# Altium PCB ISS_LAB_PCB.PcbDoc (part 7 of 8) (continued)
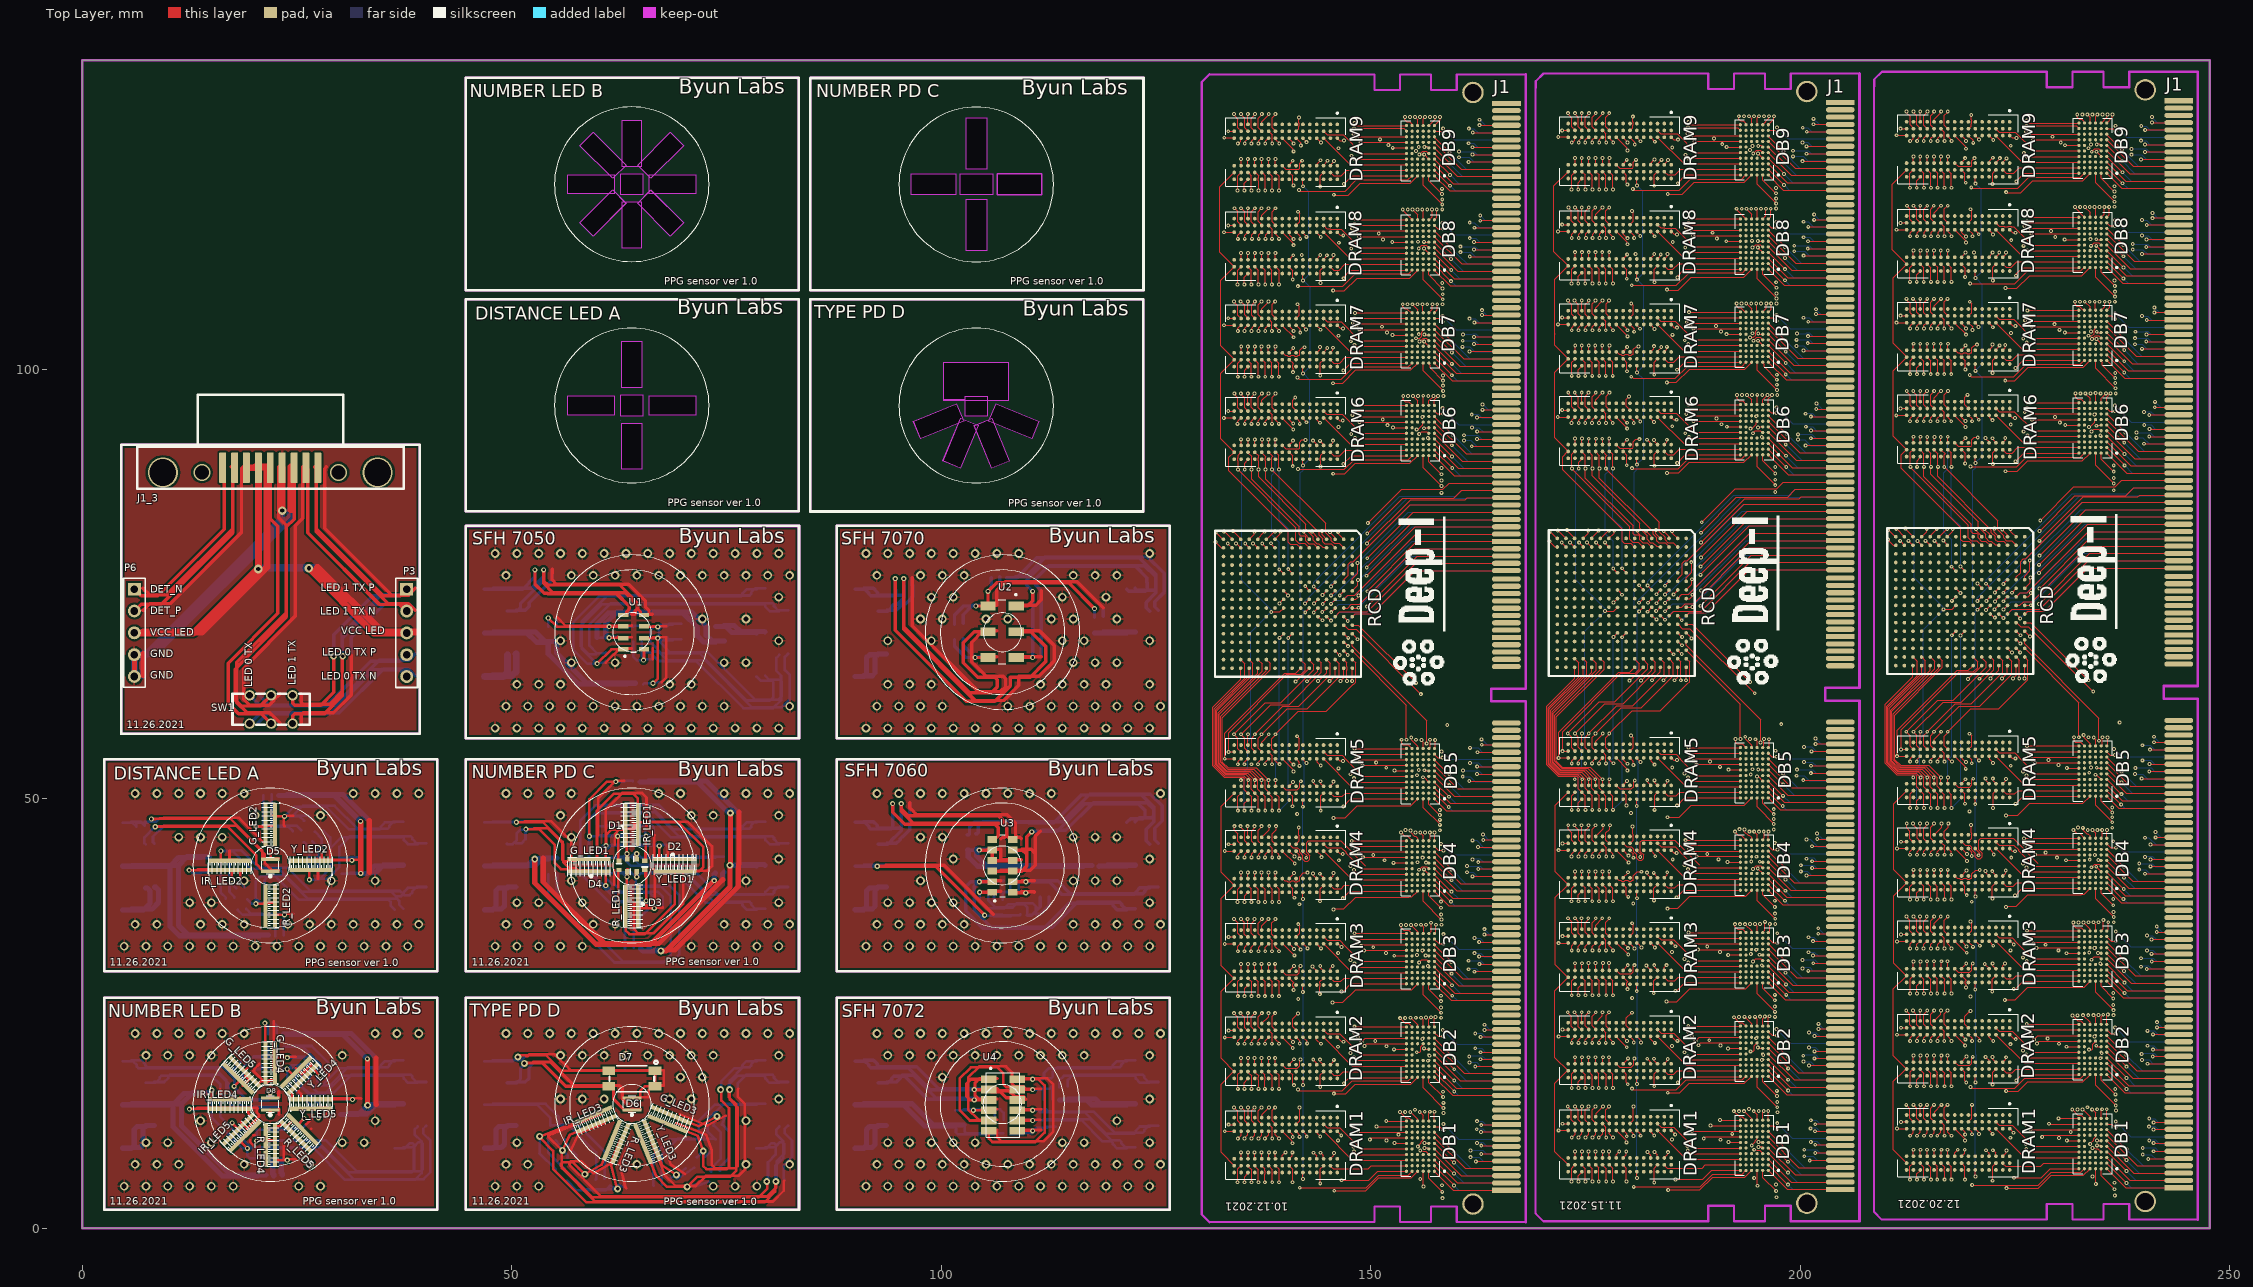
[diagram p0: Top Layer view]
## Nets (pads, with @x,y where several pads share a name; then routed paths per layer and width w, separated by ;. In a path a pad name is that pad's centre, name@x,y a point inside that pad or via, vN(x,y) a via of type N, cw(c..) or ccw(c..) an arc to the next point about the centre after c; other vN are vias at no path point) (continued)
239.498,6.402 244.07,6.402 ; v1(237.974,9.196) 239.918,7.252 244.07,7.252 ; v1(237.974,20.143) 239.815,18.302 244.07,18.302 ; v1(237.999,16.206) 238.454,15.752 244.07,15.752 ; v1(237.999,17.476) 238.05,17.476 238.925,16.602 244.07,16.602 ; v1(237.999,18.797) 238.05,18.797 239.396,17.451 244.069,17.451 244.07,17.452 ; v1(238.558,124.969) 239.752,124.969 240.278,124.443 244.07,124.443 ; v1(238.558,125.63) 240.311,125.63 240.692,125.249 244.025,125.249 244.07,125.293 ; v1(238.711,113.92) 239.904,113.92 240.432,113.393 244.07,113.393 ; v1(238.711,114.555) 240.463,114.555 240.819,114.2 244.027,114.2 244.07,114.243 ; v1(238.965,102.897) 239.828,102.897 240.387,102.338 244.065,102.338 244.07,102.343 ; v1(238.99,52.859) 239.854,52.859 240.438,52.274 244.042,52.274 244.07,52.302 ; v1(238.99,103.608) 239.005,103.623 240.45,103.623 240.871,103.201 244.062,103.201 244.07,103.193 ; v1(239.015,53.57) 240.844,53.57 241.276,53.138 244.056,53.138 244.07,53.152 ; v1(239.015,104.344) 240.055,104.344 240.147,104.436 240.475,104.436 240.707,104.204 240.707,104.177 240.841,104.043 244.07,104.043 ; v1(239.142,92) 239.906,92 240.613,91.293 244.07,91.293 ; v1(239.142,92.61) 240.744,92.61 241.227,92.127 244.054,92.127 244.07,92.143 ; v1(239.473,41.733) 240.211,41.733 240.694,41.251 244.069,41.251 244.07,41.252 ; v1@239.498,42.445 240.997,42.445 241.352,42.089 244.057,42.089 244.07,42.102 ; v1(239.676,30.43) 239.793,30.547 240.5,30.547 240.871,30.176 244.044,30.176 244.07,30.202 ; v1(239.676,31.421) 239.691,31.436 241.085,31.436 241.481,31.04 244.058,31.04 244.07,31.052 ; v1(239.676,126.595) 240.26,126.595 240.717,126.138 244.064,126.138 244.07,126.143 ; v1(239.701,128.297) 240.285,128.297 240.768,127.814 244.041,127.814 244.07,127.843 ; v1(239.752,20.27) 239.844,20.362 241.212,20.362 241.583,19.991 244.059,19.991 244.07,20.002 ; v1(239.777,19.585) 240.616,19.585 241.048,19.152 244.07,19.152 ; v1(239.777,106.173) 240.44,106.173 240.897,105.716 244.043,105.716 244.07,105.743 ; v1(239.803,115.546) 240.514,115.546 240.971,115.089 244.066,115.089 244.07,115.093 ; v1(239.803,117.349) 240.336,117.349 240.892,116.793 244.07,116.793 ; v1(239.828,54.459) 240.795,54.459 241.252,54.002 244.07,54.002 ; v1(239.828,56.211) 240.77,56.211 241.279,55.702 244.07,55.702 ; v1(239.879,8.561) 240.895,8.561 241.378,8.078 244.046,8.078 244.07,8.102 ; v1(239.879,9.323) 239.894,9.338 241.313,9.338 241.71,8.942 244.06,8.942 244.07,8.952 ; v1(240.031,94.997) 240.098,95.063 240.805,95.063 241.202,94.667 244.044,94.667 244.07,94.693 ; v1(240.057,93.499) 240.844,93.499 241.352,92.991 244.068,92.991 244.07,92.993 ; v1(240.133,43.207) 240.225,43.298 240.981,43.298 241.352,42.927 244.045,42.927 244.07,42.952 ; v1(240.133,45.442) 240.59,45.442 241.428,44.604 244.022,44.604 244.07,44.652 ; v1(240.362,32.31) 240.377,32.325 241.059,32.325 241.483,31.902 244.07,31.902 ; v1(240.362,34.063) 240.998,34.063 241.459,33.602 244.07,33.602 ; v1(240.438,21.236) 241.176,21.236 241.633,20.778 243.996,20.778 244.07,20.852 ; v1(240.438,22.963) 241.227,22.963 241.659,22.531 244.049,22.531 244.07,22.552 ; v1(240.616,11.812) 240.682,11.878 241.288,11.878 241.664,11.502 244.07,11.502 ; v1(240.641,10.212) 240.724,10.295 241.32,10.295 241.784,9.831 244.041,9.831 244.07,9.802 ; v1(240.641,12.752) 241.278,12.752 241.678,12.352 244.07,12.352 ; v1(240.946,129.338) 241.591,128.693 244.07,128.693 ; v1(241.022,118.187) 241.566,117.643 244.07,117.643 ; v1(241.174,57.202) 241.824,56.552 244.07,56.552 ; v1(241.225,107.164) 241.796,106.593 244.07,106.593 ; v1(241.301,96.191) 241.949,95.543 244.07,95.543 ; v1(241.352,46.128) 241.978,45.502 244.07,45.502 ; v1(241.505,35.104) 242.157,34.452 244.07,34.452 ; v1(241.53,23.979) 242.107,23.402 244.07,23.402
  Bottom Layer w0.3: 4.725,19.45 5.87,19.45 6.355,18.965 6.355,18.806 6.531,18.63 15.418,18.63 16.775,17.273 16.775,16.205 18.075,14.905 21.719,14.905 21.895,15.081 v4(21.895,15.755) ; 4.725,47.21 5.809,47.21 6.294,46.725 6.294,47.21 7.635,47.21 v3(8.05,47.625) ; 5.725,19.55 6.87,19.55 7.355,19.065 7.355,18.906 7.531,18.73 16.418,18.73 17.775,17.373 17.775,16.305 19.075,15.005 22.719,15.005 22.895,15.181 22.895,15.855 ; 5.725,47.31 6.809,47.31 7.294,46.825 7.294,47.31 8.635,47.31 9.05,47.725 ; 7.395,16.91 8.54,16.91 9.025,17.395 9.025,17.554 9.201,17.73 15.045,17.73 16.075,16.7 16.075,15.632 17.702,14.005 21.719,14.005 21.895,13.829 v4(21.895,13.155) ; 7.395,44.67 7.235,44.83 7.235,45.47 v3(8.495,46.73) ; 8.395,17.01 9.54,17.01 10.025,17.495 10.025,17.654 10.201,17.83 16.045,17.83 17.075,16.8 17.075,15.732 18.702,14.105 22.719,14.105 22.895,13.929 22.895,13.255 ; 8.395,44.77 8.235,44.93 8.235,45.57 9.495,46.83 ; v3(12.445,41.68) 12.526,41.68 12.89,41.316 13.795,41.316 ; v3(12.477,13.848) 13.55,13.848 ; 13.445,41.78 13.526,41.78 13.89,41.416 14.795,41.416 ; 13.477,13.948 14.55,13.948 ; v3(15.075,16.05) 15.075,12.85 18.65,9.275 v3(19.225,9.275) 19.225,8.425 19.525,8.125 20.211,8.125 20.361,7.975 20.361,7.825 20.355,7.83 ; 16.075,16.15 16.075,12.95 19.65,9.375 20.225,9.375 20.225,8.525 20.525,8.225 21.211,8.225 21.361,8.075 21.361,7.925 21.355,7.93 ; 16.716,38.359 16.716,38.459 16.145,39.03 v3(16.145,43.905) 17.47,43.905 19.52,41.855 22.868,41.855 25.573,39.149 35.998,39.149 36.493,38.655 37.124,38.655 37.435,38.966 37.435,39.125 37.92,39.61 39.065,39.61 ; v3@17.42,40.58 17.42,40.08 17.941,39.559 ; v3(17.45,12.25) 18.25,11.45 18.561,11.45 ; v3(17.675,16.5) 17.675,18.6 18.952,19.877 21.625,19.877 ; 17.716,38.459 17.716,38.559 17.145,39.13 17.145,44.005 18.47,44.005 20.52,41.955 23.868,41.955 26.573,39.249 36.998,39.249 37.493,38.755 38.124,38.755 38.435,39.066 38.435,39.225 38.92,39.71 40.065,39.71 ; 18.099,37.051 18.67,36.48 22.47,36.48 ; v2@18.42,40.68 18.42,40.18 18.941,39.659 ; 18.45,12.35 19.25,11.55 19.561,11.55 ; 18.675,16.6 18.675,18.7 19.952,19.977 22.625,19.977 ; 19.099,37.151 19.67,36.58 v3@23.47,36.58 ; 19.225,38.275 19.747,37.753 19.748,37.755 v3(20.22,37.755) 20.22,40.405 20.77,40.955 22.495,40.955 25.201,38.249 35.626,38.249 35.896,37.979 35.896,37.555 36.381,37.07 36.395,37.07 ; 19.598,9.275 19.626,9.303 26.899,9.303 30.591,5.611 38.733,5.611 39.525,6.403 39.525,10.097 38.701,10.921 38.701,11.466 39.065,11.83 ; v3(19.625,19.025) 20.125,18.525 20.873,18.525 ; 20.225,38.375 20.747,37.853 20.748,37.855 21.22,37.855 21.22,40.505 21.77,41.055 23.495,41.055 26.201,38.349 36.626,38.349 36.896,38.079 36.896,37.655 37.381,37.17 37.395,37.17 ; v3(20.245,46.755) 21.07,46.755 ; 20.598,9.375 20.626,9.403 27.899,9.403 31.591,5.711 39.733,5.711 40.525,6.503 40.525,10.197 39.701,11.021 39.701,11.566 40.065,11.93 ; 20.625,19.125 21.125,18.625 21.873,18.625 ; 21.056,50.38 21.056,46.769 21.07,46.755 ; 21.245,46.855 22.07,46.855 ; v3(21.273,23.873) 21.273,23.838 21.636,23.475 21.636,22.575 ; 21.623,21.1 21.623,19.879 21.625,19.877 ; 22.056,50.48 22.056,46.869 22.07,46.855 ; 22.177,7.825 22.277,7.925 v3(23.875,7.925) ; 22.273,23.973 22.273,23.938 22.636,23.575 22.636,22.675 ; 22.465,34.01 22.484,34.03 22.484,36.466 22.47,36.48 ; 22.623,21.2 22.623,19.979 22.625,19.977 ; 22.689,18.525 v3(23.85,18.525) ; 23.177,7.925 23.277,8.025 24.875,8.025 ; 23.439,21.1 25.7,21.1 27.7,19.1 v3(27.7,17.725) ; 23.465,34.11 23.484,34.13 23.484,36.566 v3@23.47,36.58 ; 23.477,19.85 23.519,19.85 ; v3(23.545,36.48) 22.47,36.48 ; v3@23.689,18.625 24.85,18.625 ; 24.439,21.2 26.7,21.2 28.7,19.2 28.7,17.825 ; 24.477,19.95 24.519,19.95 ; 24.515,46.21 23.97,46.755 21.07,46.755 ; 24.545,36.58 v3@23.47,36.58 ; 25.515,46.31 24.97,46.855 22.07,46.855 ; 25.799,44.926 26.445,44.28 v3(26.445,40.555) 27.545,40.555 28.945,41.955 28.945,44.28 30.175,45.51 37.259,45.51 37.435,45.334 37.435,45.175 37.92,44.69 39.065,44.69 ; 25.815,47.435 25.32,47.93 v3(23.545,47.93) 24.67,49.055 28.395,49.055 31.04,46.41 34.589,46.41 34.765,46.586 34.765,46.745 35.25,47.23 36.395,47.23 ; v3(25.825,12.76) 24.515,11.45 20.377,11.45 20.3,11.373 v3(20.3,10.15) 27.325,10.15 30.964,6.511 38.361,6.511 38.625,6.776 38.625,9.724 38.449,9.9 38.15,9.9 37.54,9.29 36.395,9.29 ; 26.799,45.026 27.445,44.38 27.445,40.655 28.545,40.655 29.945,42.055 29.945,44.38 31.175,45.61 38.259,45.61 38.435,45.434 38.435,45.275 38.92,44.79 40.065,44.79 ; 26.815,47.535 26.32,48.03 24.545,48.03 25.67,49.155 29.395,49.155 32.04,46.51 35.589,46.51 35.765,46.686 35.765,46.845 36.25,47.33 37.395,47.33 ; 26.825,12.86 25.515,11.55 21.377,11.55 21.3,11.473 21.3,10.25 28.325,10.25 31.964,6.611 39.361,6.611 39.625,6.876 39.625,9.824 39.449,10 39.15,10 38.54,9.39 37.395,9.39 ; 27.099,46.151 27.87,45.38 27.87,43.93 v3(27.895,43.905) ; v3(27.5,12.825) 27.5,13.4 27.425,13.475 23.85,17.05 v3(23.85,18.525) ; 28.099,46.251 28.87,45.48 28.87,44.03 28.895,44.005 ; 28.5,12.925 28.5,13.5 28.425,13.575 24.85,17.15 24.85,18.625 ; 30.075,15.027 30.101,15.001 31.439,15.001 v3(31.465,14.975) ; 30.22,41.278 v3@32.3,41.278 ; 30.22,43.094 31.106,43.094 v3(31.395,42.805) ; 31.075,15.127 31.101,15.101 32.439,15.101 32.465,15.075 ; 31.22,41.378 33.3,41.378 ; 31.22,43.194 32.106,43.194 32.395,42.905 ; 36.395,19.45 35.25,19.45 34.765,18.965 34.765,18.806 34.589,18.63 29.955,18.63 27.875,16.55 26.825,16.55 26.375,17 26.375,19.147 25.672,19.85 23.519,19.85 ; 37.395,19.55 36.25,19.55 35.765,19.065 35.765,18.906 35.589,18.73 30.955,18.73 28.875,16.65 27.825,16.65 27.375,17.1 27.375,19.247 26.672,19.95 24.519,19.95 ; 39.065,16.91 37.92,16.91 37.435,17.395 37.435,17.554 37.259,17.73 30.328,17.73 28.248,15.65 26.452,15.65 25.475,16.627 25.475,18.774 25.299,18.95 24.356,18.95 23.931,18.525 v3(23.85,18.525) ; 40.065,17.01 38.92,17.01 38.435,17.495 38.435,17.654 38.259,17.83 31.328,17.83 29.248,15.75 27.452,15.75 26.475,16.727 26.475,18.874 26.299,19.05 25.356,19.05 24.931,18.625 24.85,18.625 ; 46.825,14.37 52.95,14.37 54.489,12.831 54.489,11.932 54.49,11.931 54.548,11.989 56.631,11.989 59.821,8.799 59.821,5.712 59.764,5.655 ; 46.825,19.45 50.119,19.45 50.589,19.92 v5(50.725,19.92) ; 46.825,47.23 50.114,47.23 50.134,47.25 v3(50.55,47.25) ; 47.825,14.47 53.95,14.47 55.489,12.931 55.489,12.032 55.49,12.031 55.548,12.089 57.631,12.089 60.821,8.899 60.821,5.812 60.764,5.755 ; 47.825,19.55 51.119,19.55 51.589,20.02 51.725,20.02 ; 47.825,47.33 51.114,47.33 51.134,47.35 51.55,47.35 ; 49.454,44.731 49.495,44.69 50.115,44.69 50.6,45.175 50.6,45.975 51.018,46.393 51.593,46.393 v3(51.65,46.45) ; 50.454,44.831 50.495,44.79 51.115,44.79 51.6,45.275 51.6,46.075 52.018,46.493 52.593,46.493 52.65,46.55 ; v5(53.245,10.675) 53.245,8.725 53.233,8.713 55.141,6.804 ; 54.245,10.775 54.245,8.825 54.233,8.813 56.141,6.904 ; 54.245,70.014 v3(54.245,71.025) ; 54.275,41.186 54.275,38.6 61.95,30.925 67.65,30.925 68.525,31.8 68.525,38.625 67.4,39.75 63.775,39.75 63.425,40.1 v4(63.425,40.887) ; 55.14,10.224 v5(55.913,9.054) 56.534,8.433 56.534,8.221 56.491,8.179 ; 55.245,70.114 55.245,71.125 ; 55.275,41.286 55.275,38.7 62.95,31.025 68.65,31.025 69.525,31.9 69.525,38.725 68.4,39.85 64.775,39.85 64.425,40.2 v4@64.425,40.987 ; 56.14,10.324 56.913,9.154 57.534,8.533 57.534,8.321 57.491,8.279 ; 56.425,5.52 57.545,4.4 60.914,4.4 61.441,4.927 61.441,4.96 v5(62.332,4.563) ; 57.425,5.62 58.545,4.5 61.914,4.5 62.441,5.027 62.441,5.06 63.332,4.663 ; 57.775,6.895 57.886,6.895 58.349,6.431 58.349,6.371 58.324,6.346 ccw(c58.513,6.535) v5(58.513,6.268) ; 58.775,6.995 58.886,6.995 59.349,6.531 59.349,6.471 59.324,6.446 ; v3(59.05,45.625) v3(62.325,45.625) 63.148,45.625 63.198,45.675 ; v4@59.945,65.925 59.745,65.725 58.772,65.725 57.145,67.352 57.145,70.525 60.17,73.55 76.689,73.55 76.865,73.726 76.865,73.885 77.35,74.37 78.495,74.37 ; 59.945,66.936 59.834,66.825 58.945,66.825 58.045,67.725 58.045,70.152 60.543,72.65 79.359,72.65 79.535,72.474 79.535,72.315 80.02,71.83 81.165,71.83 ; 59.945,68.752 59.959,68.738 61.332,68.738 v4(61.345,68.725) ; 60.05,45.725 63.325,45.725 64.148,45.725 64.198,45.775 ; v3@60.675,44.525 60.6,44.525 59.875,43.8 59.875,40.725 60.725,39.875 v3(60.95,39.875) 61.775,39.05 66.025,39.05 66.6,38.475 v3(66.6,37.225) ; 60.945,66.025 60.745,65.825 59.772,65.825 58.145,67.452 58.145,70.625 61.17,73.65 77.689,73.65 77.865,73.826 77.865,73.985 78.35,74.47 79.495,74.47 ; 60.945,67.036 60.834,66.925 59.945,66.925 59.045,67.825 59.045,70.252 61.543,72.75 80.359,72.75 80.535,72.574 80.535,72.415 81.02,71.93 82.165,71.93 ; 60.945,68.852 60.959,68.838 62.332,68.838 62.345,68.825 ; v3(60.975,44.525) 61,44.5 v3(67.175,44.5) ; 61,41.323 62.908,41.323 v4@63.344,40.887 ; 61,43.139 62.908,43.139 ; v4(61.345,70.025) 61.358,70.038 64.132,70.038 64.145,70.052 ; 61.675,44.625 61.6,44.625 60.875,43.9 60.875,40.825 61.725,39.975 61.95,39.975 62.775,39.15 67.025,39.15 67.6,38.575 67.6,37.325 ; 61.975,44.625 62,44.6 68.175,44.6 ; 62,41.423 63.908,41.423 v4@64.344,40.987 ; 62,43.239 63.908,43.239 ; v3(62.125,51.975) 63.086,51.975 63.111,51.95 ; 62.345,70.125 62.358,70.138 65.132,70.138 65.145,70.152 ; 62.998,37.95 62.973,37.925 v3(62.325,37.925) 61.375,37.925 58,41.3 58,47.473 59.727,49.2 66.073,49.2 68.863,46.41 76.689,46.41 76.865,46.586 76.865,46.745 77.35,47.23 78.495,47.23 ; 63.125,52.075 64.086,52.075 64.111,52.05 ; 63.184,32.55 63.184,35.334 64.864,37.014 64.864,37.975 ; v4@63.344,43.575 62.908,43.139 ; 63.998,38.05 63.973,38.025 63.325,38.025 62.375,38.025 59,41.4 59,47.573 60.727,49.3 67.073,49.3 69.863,46.51 77.689,46.51 77.865,46.686 77.865,46.845 78.35,47.33 79.495,47.33 ; 64.145,68.236 64.145,66.525 64.545,66.125 v4(65.345,66.125) 65.345,66.825 65.545,67.025 66.072,67.025 67.072,66.025 71.472,66.025 76.972,60.525 80.421,60.525 81.348,61.452 81.348,64.323 80.801,64.87 80.801,66.386 81.165,66.75 ; 64.184,32.65 64.184,35.434 65.864,37.114 v3@65.864,38.075 ; v4@64.344,43.675 63.908,43.239 ; v4(64.55,40.887) 64.631,40.887 65.067,41.323 66.975,41.323 69.127,41.323 72.56,37.89 76.689,37.89 76.865,37.714 76.865,37.555 77.35,37.07 78.495,37.07 ; v4@64.631,43.575 65.067,43.139 66.975,43.139 73.7,43.139 ; 64.814,37.95 64.839,37.975 64.864,37.975 ; 64.889,45.675 64.939,45.625 65.55,45.625 65.55,46.55 65.325,46.775 60.125,46.775 59.875,47.025 59.875,48.075 60.1,48.3 65.7,48.3 68.49,45.51 79.359,45.51 79.535,45.334 79.535,45.175 80.02,44.69 81.165,44.69 ; 65.145,68.336 65.145,66.625 65.545,66.225 66.345,66.225 66.345,66.925 66.545,67.125 67.072,67.125 68.072,66.125 72.472,66.125 77.972,60.625 81.421,60.625 82.348,61.552 82.348,64.423 81.801,64.97 81.801,66.486 82.165,66.85 ; 65.334,63.325 65.434,63.425 v4(66.445,63.425) ; 65.55,40.987 65.631,40.987 66.067,41.423 67.975,41.423 70.127,41.423 73.56,37.99 77.689,37.99 77.865,37.814 77.865,37.655 78.35,37.17 79.495,37.17 ; 65.631,43.675 66.067,43.239 67.975,43.239 74.7,43.239 ; v3(65.65,38.1) 64.989,38.1 64.864,37.975 ; v3@65.814,38.05 65.839,38.075 v3@65.864,38.075 ; v3@65.889,45.775 65.939,45.725 66.55,45.725 66.55,46.65 66.325,46.875 61.125,46.875 60.875,47.125 60.875,48.175 61.1,48.4 66.7,48.4 69.49,45.61 80.359,45.61 80.535,45.434 80.535,45.275 81.02,44.79 82.165,44.79 ; v4@66.334,63.425 66.434,63.525 67.445,63.525 ; 66.539,4.945 66.481,5.003 66.481,8.461 68.346,10.326 72.627,10.326 ; 66.65,38.2 65.989,38.2 v3@65.864,38.075 ; v4(67.005,68.685) 67.086,68.685 67.335,68.436 68.745,68.436 ; 67.539,5.045 67.481,5.103 67.481,8.561 69.346,10.426 73.627,10.426 ; 68.005,68.785 68.086,68.785 68.335,68.536 69.745,68.536 ; 68.216,5.64 v5(69.17,6.2) 70.241,6.946 ; 68.745,70.252 67.353,70.252 67.086,69.985 v4(67.005,69.985) 66.505,69.985 66.145,69.625 66.145,68.225 67.445,66.925 71.845,66.925 77.345,61.425 80.048,61.425 80.448,61.825 80.448,63.549 80.272,63.725 78.98,63.725 78.495,64.21 ; 69.216,5.74 70.17,6.3 71.241,7.046 ; 69.745,70.352 68.353,70.352 68.086,70.085 68.005,70.085 67.505,70.085 67.145,69.725 67.145,68.325 68.445,67.025 72.845,67.025 78.345,61.525 81.048,61.525 81.448,61.925 81.448,63.649 81.272,63.825 79.98,63.825 79.495,64.31 ; v5(70.42,4.8) 71.966,5.296 ; 71.42,4.9 72.966,5.396 ; 71.525,8.23 71.55,8.23 v5(72.295,8.975) ; 72.525,8.33 72.55,8.33 73.295,9.075 ; 72.765,10.269 72.684,10.269 72.627,10.326 ; 73.25,6.58 73.144,6.686 73.144,6.898 74.32,8.074 74.32,11.168 73.541,11.946 73.46,11.946 v5(73.895,13) ; 73.765,10.369 73.684,10.369 73.627,10.426 ; 74.25,6.68 74.144,6.786 74.144,6.998 75.32,8.174 75.32,11.268 74.541,12.046 74.46,12.046 74.895,13.1 ; v5(74.318,16.125) 74.395,16.202 74.395,17.1 75.925,18.63 76.689,18.63 76.865,18.806 76.865,18.965 77.35,19.45 78.495,19.45 ; v5@75.318,16.225 75.395,16.302 75.395,17.2 76.925,18.73 77.689,18.73 77.865,18.906 77.865,19.065 78.35,19.55 79.495,19.55 ; v5(75.372,16.125) 75.295,16.202 75.295,16.727 76.298,17.73 79.359,17.73 79.535,17.554 79.535,17.395 80.02,16.91 81.165,16.91 ; 76.372,16.225 76.295,16.302 76.295,16.827 77.298,17.83 80.359,17.83 80.535,17.654 80.535,17.495 81.02,17.01 82.165,17.01 ; 78.495,9.29 79.64,9.29 80.25,9.9 80.549,9.9 80.725,9.724 80.725,8.556 79.831,7.663 79.831,5.563 v5(79.693,5.425) ; 78.495,14.37 73.64,14.37 71.79,12.52 71.79,11.163 72.627,10.326 ; 79.495,9.39 80.64,9.39 81.25,10 81.549,10 81.725,9.824 81.725,8.656 80.831,7.763 80.831,5.663 v5@80.693,5.525 ; 79.495,14.47 74.64,14.47 72.79,12.62 72.79,11.263 73.627,10.426 ; v5(80.747,5.425) 80.747,5.548 80.67,5.625 80.67,7.229 81.625,8.184 81.625,10.097 80.801,10.921 80.801,11.466 81.165,11.83 ; 81.165,39.61 80.02,39.61 79.535,39.125 79.535,38.966 79.359,38.79 72.933,38.79 69.5,42.223 66.602,42.223 66.579,42.2 63.847,42.2 62.908,43.139 ; 81.747,5.525 81.747,5.648 81.67,5.725 81.67,7.329 82.625,8.284 82.625,10.197 81.801,11.021 81.801,11.566 82.165,11.93 ; 82.165,39.71 81.02,39.71 80.535,39.225 80.535,39.066 80.359,38.89 73.933,38.89 70.5,42.323 67.602,42.323 67.579,42.3 64.847,42.3 63.908,43.239 ; 101.645,11.898 101.719,11.824 101.719,11.151 101.945,10.925 106.218,10.925 ; 101.645,13.714 101.656,13.725 v4(103.745,13.725) 105.845,13.725 106.256,13.314 106.256,12.525 ; 102.645,11.998 102.719,11.924 102.719,11.251 102.945,11.025 107.218,11.025 ; 102.645,13.814 102.656,13.825 104.745,13.825 106.845,13.825 107.256,13.414 107.256,12.625 ; v4(104.465,39.105) 104.465,38.105 105.345,37.225 107.328,37.225 107.828,37.725 109.645,37.725 110.034,37.336 110.034,36.425 ; v4(105.045,36.425) 105.102,36.368 106.075,36.368 106.145,36.298 108.091,36.298 108.218,36.425 ; 105.465,39.205 105.465,38.205 106.345,37.325 108.328,37.325 108.828,37.825 110.645,37.825 111.034,37.436 111.034,36.525 ; 106.045,36.525 106.102,36.468 107.075,36.468 107.145,36.398 109.091,36.398 109.218,36.525 ; 106.145,38.114 106.145,38.825 106.402,39.082 108.034,39.082 ; 107.145,38.214 107.145,38.925 107.402,39.182 109.034,39.182 ; 108.034,10.925 109.545,10.925 109.895,11.275 110.676,11.275 111.099,11.698 112.045,11.698 112.345,11.698 ; 108.034,40.325 108.034,39.082 ; 108.072,12.525 v4@110.545,12.525 ; 109.034,11.025 110.545,11.025 110.895,11.375 111.676,11.375 112.099,11.798 113.045,11.798 113.345,11.798 ; 109.034,40.425 109.034,39.182 ; 109.072,12.625 111.545,12.625 ; v4(109.845,39.025) 109.788,39.082 108.034,39.082 ; v4(110.645,13.725) 111.245,13.725 111.456,13.514 112.045,13.514 112.09,13.469 116.715,13.469 119.175,11.01 122.474,11.01 122.65,11.186 122.65,11.345 123.135,11.83 124.28,11.83 ; v4(110.645,17.325) 111.794,17.325 111.97,17.501 111.97,18.061 112.539,18.63 119.804,18.63 119.98,18.806 119.98,18.965 120.465,19.45 121.61,19.45 ; v4@110.745,16.125 111.618,16.125 111.918,16.425 111.937,16.406 111.937,14.944 111.956,14.925 ; 110.845,39.125 110.788,39.182 109.034,39.182 ; v4@110.918,12.525 110.962,12.569 116.342,12.569 118.802,10.11 119.804,10.11 119.98,9.934 119.98,9.775 120.465,9.29 121.61,9.29 ; 111.645,13.825 112.245,13.825 112.456,13.614 113.045,13.614 113.09,13.569 117.715,13.569 120.175,11.11 123.474,11.11 123.65,11.286 123.65,11.445 124.135,11.93 125.28,11.93 ; 111.645,17.425 112.794,17.425 112.97,17.601 112.97,18.161 113.539,18.73 120.804,18.73 120.98,18.906 120.98,19.065 121.465,19.55 122.61,19.55 ; 111.745,16.225 112.618,16.225 112.918,16.525 112.937,16.506 112.937,15.044 112.956,15.025 ; 111.918,12.625 111.962,12.669 117.342,12.669 119.802,10.21 120.804,10.21 120.98,10.034 120.98,9.875 121.465,9.39 122.61,9.39 ; 113.734,16.425 113.734,17.169 114.295,17.73 122.474,17.73 122.65,17.554 122.65,17.395 123.135,16.91 124.28,16.91 ; 114.734,16.525 114.734,17.269 115.295,17.83 123.474,17.83 123.65,17.654 123.65,17.495 124.135,17.01 125.28,17.01 ; 21.625,19.877 23.492,19.877 23.519,19.85 ; 22.625,19.977 24.492,19.977 24.519,19.95
  Bottom Layer w0.381: 49.495,16.91 50.577,16.91 51.021,17.355 51.021,18.613 51.47,19.062 v5(51.47,19.175) ; 49.495,71.83 50.583,71.83 51.027,72.275 51.027,72.727 53.705,75.405 v3(53.705,76.625) ; 50.495,17.01 51.577,17.01 52.021,17.455 52.021,18.713 52.47,19.162 52.47,19.275 ; 50.495,71.93 51.583,71.93 52.027,72.375 52.027,72.827 54.705,75.505 54.705,76.725
  Bottom Layer w0.4: 19.495,58.73 20.645,59.88 ; 19.495,62.03 20.745,60.78 28.388,60.78 33.598,65.99 35.997,65.99 36.007,65.98 36.986,65.98 37.756,66.75 37.77,66.75 ; 20.495,58.83 21.645,59.98 ; 20.495,62.13 21.745,60.88 29.388,60.88 34.598,66.09 36.997,66.09 37.007,66.08 37.986,66.08 38.756,66.85 38.77,66.85 ; 20.695,59.88 28.903,59.88 34.012,64.99 35.583,64.99 35.593,64.98 36.986,64.98 37.756,64.21 37.77,64.21 ; 21.695,59.98 29.903,59.98 35.012,65.09 36.583,65.09 36.593,65.08 37.986,65.08 38.756,64.31 38.77,64.31 ; v5(29.268,66.58) 29.295,66.607 29.295,69.094 33.811,73.61 35.902,73.61 35.912,73.6 37,73.6 37.77,74.37 ; v5@30.268,66.68 30.295,66.707 30.295,69.194 34.811,73.71 36.902,73.71 36.912,73.7 38,73.7 38.77,74.47 ; v5(30.322,66.58) 30.295,66.607 30.295,68.68 34.225,72.61 ; 31.322,66.68 31.295,66.707 31.295,68.78 35.225,72.71 ; 34.216,72.61 34.225,72.61 ; 35.216,72.71 35.225,72.71 ; 37.77,71.83 37.756,71.83 36.986,72.6 35.498,72.6 35.488,72.61 34.225,72.61 ; 38.77,71.93 38.756,71.93 37.986,72.7 36.498,72.7 36.488,72.71 35.225,72.71 ; 46.825,74.37 51.269,74.37 52.705,75.805 v3(52.705,76.625) ; 47.825,74.47 52.269,74.47 53.705,75.905 v3@53.705,76.725 ; 89.975,19.45 91.12,19.45 91.555,19.015 91.555,18.914 91.789,18.68 96.164,18.68 98.719,16.125 v4(103.845,16.125) ; 89.975,42.15 89.988,42.138 92.533,42.138 v3(92.545,42.125) ; 89.975,47.23 91.12,47.23 91.555,46.795 91.555,46.694 91.789,46.46 94.111,46.46 94.345,46.694 v3(94.345,49.425) ; 89.975,74.37 91.12,74.37 91.555,73.935 91.555,73.834 91.789,73.6 94.465,73.6 94.699,73.834 94.699,74.342 94.645,74.397 v3(94.645,75.611) ; 90.975,19.55 92.12,19.55 92.555,19.115 92.555,19.014 92.789,18.78 97.164,18.78 99.719,16.225 104.845,16.225 ; 90.975,42.25 90.988,42.238 93.533,42.238 93.545,42.225 ; 90.975,47.33 92.12,47.33 92.555,46.895 92.555,46.794 92.789,46.56 95.111,46.56 95.345,46.794 v3@95.345,49.525 ; 90.975,74.47 92.12,74.47 92.555,74.035 92.555,73.934 92.789,73.7 95.465,73.7 95.699,73.934 95.699,74.442 95.645,74.497 v3@95.645,75.711 ; 92.645,16.91 93.79,16.91 94.225,17.345 94.225,17.446 94.459,17.68 95.75,17.68 98.405,15.025 103.604,15.025 103.665,14.963 103.807,14.963 v4(103.845,14.925) ; 92.645,44.69 93.79,44.69 94.225,45.125 94.225,45.226 94.459,45.46 94.525,45.46 95.345,46.28 v3(95.345,49.425) ; 92.645,71.83 93.79,71.83 94.225,72.265 94.225,72.366 94.459,72.6 94.879,72.6 95.699,73.42 95.699,74.757 95.645,74.811 v3(95.645,75.611) ; 93.645,17.01 94.79,17.01 95.225,17.445 95.225,17.546 95.459,17.78 96.75,17.78 99.405,15.125 104.604,15.125 104.665,15.063 104.807,15.063 104.845,15.025 ; 93.645,44.79 94.79,44.79 95.225,45.225 95.225,45.326 95.459,45.56 95.525,45.56 96.345,46.38 96.345,49.525 ; 93.645,71.93 94.79,71.93 95.225,72.365 95.225,72.466 95.459,72.7 95.879,72.7 96.699,73.52 96.699,74.857 96.645,74.911 96.645,75.711 ; 101.545,68.498 101.545,67.725 102.845,66.425 v4(103.945,66.425) ; 101.545,70.314 101.545,71.325 102.645,72.425 v4(104.045,72.425) ; 102.545,68.598 102.545,67.825 103.845,66.525 104.945,66.525 ; 102.545,70.414 102.545,71.425 103.645,72.525 105.045,72.525 ; 103.045,43.998 103.048,44.002 104.422,44.002 v4(104.425,44.005) ; 103.045,45.814 103.195,45.814 103.295,45.914 103.295,46.675 103.845,47.225 110.145,47.225 110.166,47.204 113.095,47.204 116.316,50.425 123.359,50.425 124.725,49.059 124.725,47.314 123.866,46.456 123.866,45.104 124.28,44.69 ; 104.045,44.098 104.048,44.102 105.422,44.102 105.425,44.105 ; 104.045,45.914 104.195,45.914 104.295,46.014 104.295,46.775 104.845,47.325 111.145,47.325 111.166,47.304 114.095,47.304 117.316,50.525 124.359,50.525 125.725,49.159 125.725,47.414 124.866,46.556 124.866,45.204 125.28,44.79 ; v4(105.445,74.125) 105.445,74.179 105.818,74.552 105.818,75.725 ; 106.218,40.325 v4(104.445,40.325) 103.445,40.325 102.845,39.725 102.845,36.925 104.845,34.925 111.945,34.925 114.86,37.84 119.796,37.84 120.03,37.606 120.03,37.505 120.465,37.07 121.61,37.07 ; 106.445,74.225 106.445,74.279 106.818,74.652 106.818,75.825 ; 107.218,40.425 105.445,40.425 104.445,40.425 103.845,39.825 103.845,37.025 105.845,35.025 112.945,35.025 115.86,37.94 120.796,37.94 121.03,37.706 121.03,37.605 121.465,37.17 122.61,37.17 ; 107.634,75.725 108.823,75.725 111.123,78.025 123.059,78.025 124.952,76.132 124.952,75.588 124.99,75.551 124.99,73.954 123.866,72.831 123.866,72.244 124.28,71.83 ; 108.634,75.825 109.823,75.825 112.123,78.125 124.059,78.125 125.952,76.232 125.952,75.688 125.99,75.651 125.99,74.054 124.866,72.931 124.866,72.344 125.28,71.93 ; v4(109.856,40.314) 111.545,40.314 112.556,40.314 114.03,38.84 122.466,38.84 122.7,39.074 122.7,39.175 123.135,39.61 124.28,39.61 ; 110.034,36.425 110.545,36.425 111.545,37.425 111.545,38.498 ; v4(110.545,46.125) 110.583,46.163 110.725,46.163 110.765,46.204 113.509,46.204 116.731,49.425 122.945,49.425 123.725,48.645 123.725,47.899 123.491,47.665 122.045,47.665 121.61,47.23 ; v4(110.645,66.425) v4(110.645,74.125) 109.945,74.825 109.945,75.433 111.537,77.025 122.645,77.025 123.952,75.718 123.952,75.174 123.99,75.136 123.99,74.368 123.756,74.134 121.846,74.134 121.61,74.37 ; 110.856,40.414 112.545,40.414 113.556,40.414 115.03,38.94 123.466,38.94 123.7,39.174 123.7,39.275 124.135,39.71 125.28,39.71 ; 111.034,36.525 111.545,36.525 112.545,37.525 112.545,38.598 ; 111.545,46.225 111.583,46.263 111.725,46.263 111.765,46.304 114.509,46.304 117.731,49.525 123.945,49.525 124.725,48.745 124.725,47.999 124.491,47.765 123.045,47.765 122.61,47.33 ; 111.645,66.525 111.645,74.225 110.945,74.925 110.945,75.533 112.537,77.125 123.645,77.125 124.952,75.818 124.952,75.274 124.99,75.236 124.99,74.468 124.756,74.234 122.846,74.234 122.61,74.47 ; 117.845,71.114 v3(117.845,72.125) ; 118.845,71.214 118.845,72.225